# Altium PCB PCBv2.PcbDoc (part 1 of 2) (continued)
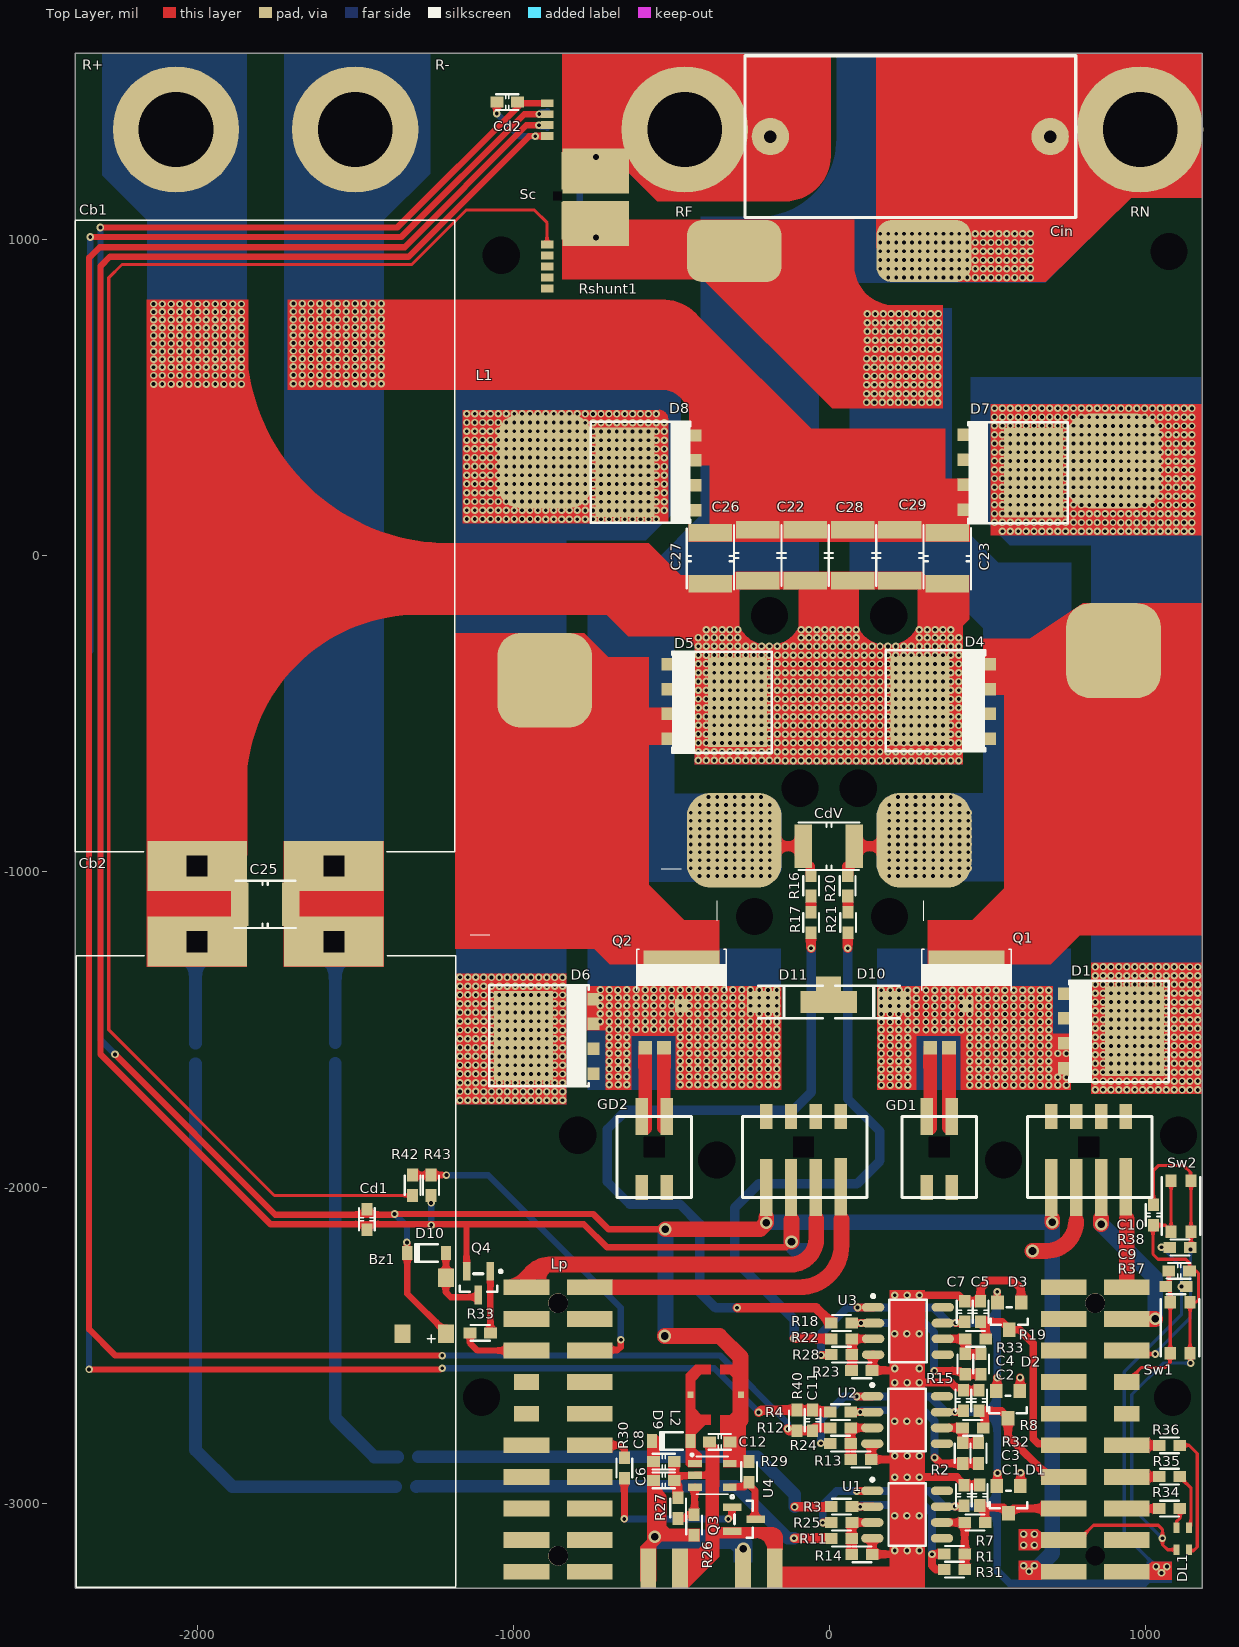
[diagram p0: Top Layer view]
## Nets (pads, with @x,y where several pads share a name; then routed paths per layer and width w, separated by ;. In a path a pad name is that pad's centre, name@x,y a point inside that pad or via, vN(x,y) a via of type N, cw(c..) or ccw(c..) an arc to the next point about the centre after c; other vN are vias at no path point)
3V3: C3.1 C4.1 C7.1 D1.2@530.4,-2943.69 D2.2 D3.2 Lp.1 R24.2 R25.1 R28.2 R37.2 R38.2 U1.1 U1.7 U2.1 U2.7 U3.1 U3.7 | length 5009.6
  Top Layer w25: v2(-25.5,-2529.5) R28.2@5.35,-2529.5 ; v2(-20,-3060) 6.58,-3060 R25.1@7.3,-3059.28 ; v2(87.57,-2660.72) 87.81,-2660.49 U2.1@136.12,-2660.49 ; v2(87.8,-2960) 88.04,-2959.77 U1.1@136.35,-2959.77 ; v2(90.35,-2379) 90.58,-2378.77 U3.1@138.9,-2378.77 ; v2(397.57,-2709.51) 423.79,-2709.51 C4.1@426.57,-2706.72 ; v2(397.8,-3008.79) 424.02,-3008.79 C3.1@426.8,-3006 ; v2(400.35,-2427.79) 426.56,-2427.79 C7.1@429.35,-2425 ; D2.2@528.85,-2643 532,-2639.85 v2(532,-2600.72) ; D1.2@530.4,-2943.69 533,-2941.1 v2(533,-2903) ; v2(532.35,-2329) 532.35,-2362.1 D3.2@532.95,-2362.69
  Bottom Layer w10: v2(1035,-3199) 934,-3098 934,-2582.82 1115,-2401.82 v2(1115,-2312.78) 1115,-2251 v2(1052,-2188)
  Bottom Layer w25: v2(-26,-2808.5) -26,-2734.34 47.35,-2661 87.3,-2661 v2(87.57,-2660.72) 319.57,-2660.72 368.36,-2709.51 v2(397.57,-2709.51) 532.35,-2709.51 ; v2(-25.5,-2529.5) -25.5,-2461.5 55,-2381 88.35,-2381 v2(90.35,-2379) 330.35,-2379 379.13,-2427.79 v2(400.35,-2427.79) 530.56,-2427.79 ; v2(-20,-3060) -20,-3004 24,-2960 v2(87.8,-2960) 315.8,-2960 364.59,-3008.79 v2(397.8,-3008.79) 532.35,-3008.79 ; v2(532.35,-2329) 532.35,-2709.51 ; v2(1035,-3199) 1035,-3214 997,-3252 572,-3252 532.35,-3212.35 532.35,-3008.79 ; 532.35,-3008.79 532.35,-2709.51
  other v2: 1052,-3219 1069,-3199
+: Cin.1 R39.1 RF.1 Rshunt1.1 Sc.5 | length 216.2
  Bottom Layer w19.68: R39.1@-826,1407 -767,1407 -738,1378 v4(-738,1261.85)
+5V: Bz1.1 C12.2 Cd1.1 Cd2.1 D10.K GD1.4 GD2.4 L2.1 Lp.20 R29.2 Sc.1 U4.5 | length 9877.2
  Top Layer w20: v2(-2306,1039) -1366.09,1039 -972.59,1432.5 Sc.1@-892.56,1432.5 ; v2(-2260,-1578) -1753,-2085 v2@-1375,-2085 ; v2(-1375,-2083) -746,-2083 -698,-2131 v3(-518,-2131) ; v2(-1336,-2173) -1336,-2205.02 D10.K@-1335.02,-2206 -1335.02,-2335.04 -1212,-2458.06 Bz1.1@-1212,-2462 Bz1.1@-1212.5,-2461.5
  Top Layer w50: v3(-520,-2469) -347,-2469 -280,-2536 -280,-2735 -301,-2756 ; v3(-518,-2131) -218.65,-2131 v3(-198.65,-2111) v3@-198.65,-2093 ; v3(706.35,-2109) v3@706.35,-2099
  Bottom Layer w20: v2(-2306,1039) -2306,-1532 v2(-2260,-1578) ; v2(-1375,-2083) -1336,-2122 v2(-1336,-2173)
  Bottom Layer w50: v3(-520,-2469) -518,-2467 v3(-518,-2131) ; v3(-198.65,-2111) -196.65,-2109 v3(706.35,-2109) 706.35,-3156.65 658.5,-3204.5 649.69,-3204.5 625,-3204.5
  other v2: 633,-3214 615.69,-3196 649.69,-3196
+12V: C6.2 C8.2 D9.K pad.8@-272,-3205 pad.8@-572,-3205 R26.2
  other v3: -271.02,-3143 -552,-3105
AD01: C5.1 D3.3 Lp.16 R19.1 | length 711
  Top Layer w25: R19.1@496.85,-2478.28 496.35,-2477.78 496.35,-2444 479.35,-2427 C5.1@479.35,-2424.5 548.04,-2424.5 570.35,-2446.81 D3.3@570.35,-2449.31 602.31,-2449.31 646.15,-2493.15 646.15,-2794.15 662,-2810 737.35,-2810 Lp.16@742.35,-2815
  Top Layer w40: Lp.16@694.91,-2815 Lp.16@742.35,-2815
AD02: C2.1 D2.3 Lp.17 R8.1 | length 449.9
  Top Layer w25: R8.1@494.07,-2760 493.57,-2759.5 493.57,-2725.72 476.57,-2708.72 476.57,-2706.22 545.27,-2706.22 567.57,-2728.53 D2.3@567.57,-2731.03 ; D2.3@566.25,-2729.62 566.25,-2786.35 Lp.17@694.91,-2915
  Top Layer w40: Lp.17@694.91,-2915 Lp.17@742.35,-2915
AD03: C1.2 D1.3 Lp.18 R7.1 | length 321.3
  Top Layer w25: R7.1@494.3,-3059.28 493.8,-3058.78 493.8,-3025 476.8,-3008 C1.2@476.8,-3005.5 483.3,-3012 D1.3@552,-3012 ; D1.3@570.3,-3027.81 583.11,-3015 Lp.18@742.35,-3015
  Top Layer w40: D1.3@567.8,-3030.31 567.8,-3027.81 D1.3@570.3,-3027.81
B: Lp.5 R36.1 | length 102.2
  Top Layer w25: Lp.5@942.35,-2815 R36.1@1044.5,-2815
BUZINA: Lp.13a R33.1@-1136.5,-2459 | length 221.1
  Top Layer w20: R33.1@-1136.5,-2459 -1136.5,-2491.5 -1113,-2515 Lp.13a@-957.65,-2515
D_SCN: GD2.@-592.96,-1774.53 Q2.G | length 254
  Top Layer w43: GD2.@-582.16,-1811 -582.16,-1557.23 Q2.G@-582.01,-1557.07
D_SCP: GD1.@309.63,-1774.54 Q1.G | length 253.8
  Top Layer w43: GD1.@319.99,-1810.84 Q1.G@319.99,-1557.06
EN_AIR: Lp.5a R30.1 | length 141
  Top Layer w22: Lp.5a@-757.65,-2815 -662,-2815 -648,-2829 R30.1@-648,-2854.5
EN_SCN: GD2.2 Lp.11a | length 1067.1
  Top Layer w50: Lp.11a@-957.65,-2315 cw(c-885.65,-2315) -885.65,-2243 -122.43,-2243 ccw(c-122.43,-2161) -40.43,-2161 -40.43,-2099
EN_SCP: GD1.2 Lp.9 | length 478.5
  Top Layer w50: v3(861,-2115) v3@861,-2097 ; Lp.9@942.35,-2415 v3(1032,-2415)
  Bottom Layer w50: v3(861,-2115) 1032,-2286 v3(1032,-2415)
Fase: CdV.1 L1.F R20.1 R41.1 Rshunt1.2 Sc.6 | length 841.3
  Top Layer w30: R20.1@56.5,-1009 CdV.1@56.5,-982.3 ; R20.1@59,-1011.5 61.5,-1009 61.5,-978.8 79.96,-960.34 CdV.1@79.96,-919 L1.F@279.49,-919 ; L1.F@218.03,-981.96 L1.F@300,-899.99
  Bottom Layer w19.68: R41.1@-825.97,1355 -801.53,1355 -789,1342.47 -789,1058.83 v4(-738,1007.83)
  other v1: 190.09,-1013.5 217.87,-1013.5 245.64,-1013.5 273.42,-1013.5 301.2,-1013.5 328.98,-1013.5 356.75,-1013.5 384.53,-1013.5 412.31,-1013.5 190.38,-988.5 218.16,-988.5 245.94,-988.5 273.72,-988.5 301.49,-988.5 329.27,-988.5 357.05,-988.5 384.83,-988.5 412.6,-988.5 440.38,-988.5 190.38,-963.5 218.16,-963.5 245.94,-963.5 273.72,-963.5 301.49,-963.5 329.27,-963.5 357.05,-963.5 384.83,-963.5 412.6,-963.5 440.38,-963.5 190.38,-938.5 218.16,-938.5 245.94,-938.5 273.72,-938.5 301.49,-938.5 329.27,-938.5 357.05,-938.5 384.83,-938.5 412.6,-938.5 440.38,-938.5 190.38,-913.5 218.16,-913.5 245.94,-913.5 273.72,-913.5 301.49,-913.5 329.27,-913.5 357.05,-913.5 384.83,-913.5 412.6,-913.5 440.38,-913.5 190.38,-888.5 218.16,-888.5 245.94,-888.5 273.72,-888.5 301.49,-888.5 329.27,-888.5 357.05,-888.5 384.83,-888.5 412.6,-888.5 440.38,-888.5 190.38,-863.5 218.16,-863.5 245.94,-863.5 273.72,-863.5 301.49,-863.5 329.27,-863.5 357.05,-863.5 384.83,-863.5 412.6,-863.5 440.38,-863.5 190.38,-838.5 218.16,-838.5 245.94,-838.5 273.72,-838.5 301.49,-838.5 329.27,-838.5 357.05,-838.5 384.83,-838.5 412.6,-838.5 440.38,-838.5 190.38,-813.5 218.16,-813.5 245.94,-813.5 273.72,-813.5 301.49,-813.5 329.27,-813.5 357.05,-813.5 384.83,-813.5 412.6,-813.5 440.38,-813.5 190.38,-788.5 218.16,-788.5 245.94,-788.5 273.72,-788.5 301.49,-788.5 329.27,-788.5 357.05,-788.5 384.83,-788.5 412.6,-788.5 218.16,-763.5 245.94,-763.5 273.72,-763.5 301.49,-763.5 329.27,-763.5 357.05,-763.5 384.83,-763.5 118.5,485.51 143.5,485.51 168.5,485.51 193.5,485.51 218.5,485.51 243.5,485.51 268.5,485.51 293.5,485.51 318.5,485.51 343.5,485.51 118.5,513.28 143.5,513.28 168.5,513.28 193.5,513.28 218.5,513.28 243.5,513.28 268.5,513.28 293.5,513.28 318.5,513.28 343.5,513.28 118.5,541.06 143.5,541.06 168.5,541.06 193.5,541.06 218.5,541.06 243.5,541.06 268.5,541.06 293.5,541.06 318.5,541.06 343.5,541.06 118.5,568.84 143.5,568.84 168.5,568.84 193.5,568.84 218.5,568.84 243.5,568.84 268.5,568.84 293.5,568.84 318.5,568.84 343.5,568.84 118.5,596.62 143.5,596.62 168.5,596.62 193.5,596.62 218.5,596.62 243.5,596.62 268.5,596.62 293.5,596.62 318.5,596.62 343.5,596.62 118.5,624.4 143.5,624.4 168.5,624.4 193.5,624.4 218.5,624.4 243.5,624.4 268.5,624.4 293.5,624.4 318.5,624.4 343.5,624.4 121.2,654.51 146.2,654.51 171.2,654.51 196.2,654.51 221.2,654.51 246.2,654.51 271.2,654.51 296.2,654.51 321.2,654.51 346.2,654.51 121.2,682.28 146.2,682.28 171.2,682.28 196.2,682.28 221.2,682.28 246.2,682.28 271.2,682.28 296.2,682.28 321.2,682.28 346.2,682.28 121.2,710.06 146.2,710.06 171.2,710.06 196.2,710.06 221.2,710.06 246.2,710.06 271.2,710.06 296.2,710.06 321.2,710.06 346.2,710.06 121.2,737.84 146.2,737.84 171.2,737.84 196.2,737.84 221.2,737.84 246.2,737.84 271.2,737.84 296.2,737.84 321.2,737.84 346.2,737.84 121.2,765.62 146.2,765.62 171.2,765.62 196.2,765.62 221.2,765.62 246.2,765.62 271.2,765.62 296.2,765.62 321.2,765.62 346.2,765.62
Fb: C11.2 R12.2 R40.1 R41.2 Sc.3 | length 7513.9
  Top Layer w20: v2(-1224,-2531) -2259,-2531 -2342,-2448 -2342,943 -2308,977 -1343.24,977 -958,1362.23 -918.77,1362.23 v2(-918,1363)
  Top Layer w30: v2(-131,-2763) -125.5,-2768.5 R40.1@-102,-2768.5 C11.2@-52,-2768.5 -52,-2766 -46,-2760 R12.2@3.35,-2760
  Bottom Layer w20: v2@-1226,-2531 v2(-1224,-2531) -344.78,-2531 -131,-2744.78 v2(-131,-2763) ; v2(-918,1363) -916.92,1363 -911.42,1357.5 -894.69,1357.5 R41.2@-892.19,1355
G: Lp.4 R35.1 | length 102.6
  Top Layer w25: Lp.4@942.35,-2915 942.85,-2914.5 1044,-2914.5 R35.1@1044.5,-2914
GND: C1.1 C2.2 C3.2 C4.2 C5.2 C6.1 C7.2 C8.1 C9.2 C10.2 C12.1 Cd1.2 Cd2.2 D1.1@605.21,-2943.69 D2.1 D3.1 DL1.C GD1.3 GD2.3 Lp.19 pad.8@-172,-3205 pad.8@-472,-3205 Q3.2 Q4.2 R13.2 R14.1 R23.1 R27.1 R43.1 Sc.4 Sw1.2 Sw2.2 U1.4 U2.4 U3.4 U4.2 | length 11480.3
  Top Layer w10: Lp.19@742.35,-3115 789.79,-3115 836.79,-3068 1042,-3068 1055,-3081 v2(1055,-3109) 1055,-3129 1071.45,-3145.45 DL1.C@1099.32,-3145.45 ; Sw2.2@1069.79,-2153.39 1082.5,-2140.68 Sw2.2@1082.5,-2138.71 Sw2.2@1082.5,-2136.74 ; Sw2.2@1082.5,-1977.29 Sw2.2@1082.5,-2136.74 ; v2(1144,-2555) 1144,-2525.21 Sw1.2@1142.5,-2523.71 Sw1.2@1142.5,-2362.29 1143.79,-2361 1162,-2361 1169,-2354 1169,-2271 1161,-2263 C9.2@1140.5,-2263 1141,-2262.5 1141,-2238 1129,-2226 1041,-2226 1025,-2210 1025,-2120.5 C10.2@1027,-2118.5 1064.26,-2118.5 Sw2.2@1082.5,-2136.74
  Top Layer w20: R43.1@-1260,-2024.5 -1259.88,-2024.62 -1259.88,-2047.88 v2(-1259.75,-2048) ; Q4.2@-1147.4,-2264.6 -1147.4,-2116.4 ; v2(-1052,1400) -1052,1434.96 Cd2.2@-1050.96,1436 ; Sc.4@-892.56,1328.52 -949.3,1328.52 -1330.81,947 -2276,947 -2306,917 -2306,889 -2306,-1577 -1768,-2115 -1259,-2115 -776,-2115 -703,-2188 -136,-2188 v3(-119,-2171)
  Top Layer w22: C6.1@-490.5,-2928.5 -472.81,-2910.81 -424.93,-2910.81 U4.2@-424.12,-2910 -423.31,-2909.19 -391.39,-2909.19 -378.5,-2896.3 ; C12.1@-378.5,-2804 -378.5,-2896.3 ; -369,-3141.33 -371.9,-3138.43 ; -353.6,-3086.4 -307.6,-3086.4 -307,-3087 Q3.2@-306.4,-3086.4 ; -378.5,-3131.83 -371.9,-3138.43 ; -378.5,-3131.83 -378.5,-3093 ; -378.5,-3131.83 -378.5,-3150.7 -371.9,-3157.3 -371.9,-3138.43 ; -378.5,-3093 -378.5,-2896.3 ; -378.5,-3093 -371.9,-3086.4 -371.9,-3138.43
  Top Layer w25: R23.1@135.85,-2578 R23.1@139.12,-2578 ; U2.4@136.61,-2810 136.16,-2810 134.98,-2811.18 134.98,-2858.37 R13.2@133.35,-2860 196.72,-2860 v2(208,-2848.72) ; U1.4@136.84,-3109.28 136.57,-3109.55 136.57,-3159.73 R14.1@136.3,-3160 196,-3160 v2(208,-3148) ; R23.1@138.85,-2579 139.12,-2578.73 R23.1@139.12,-2578 ; U3.4@139.39,-2528.28 139.12,-2528.55 R23.1@139.12,-2578 ; v2(208,-2572) 202,-2578 R23.1@139.12,-2578 ; v2(286.01,-2916) 404.3,-2916 426.8,-2938.5 C3.2@426.8,-2941 427.05,-2940.75 476.55,-2940.75 C1.1@476.8,-2940.5 ; v2(286.01,-2616.72) 386.77,-2616.72 403.05,-2633 419.85,-2633 424.85,-2638 C4.2@424.85,-2640.5 ; v2(286.01,-2340) 409.85,-2340 421.85,-2352 424.35,-2352 429.35,-2357 C7.2@429.35,-2359.5 ; C4.2@426.57,-2641.72 426.82,-2641.47 476.32,-2641.47 C2.2@476.57,-2641.22 ; C7.2@429.35,-2360 429.6,-2359.75 479.1,-2359.75 C5.2@479.35,-2359.5 479.35,-2319 505.35,-2293 581.35,-2293 607.35,-2319 607.35,-2362.29 D3.1@607.75,-2362.69 ; D2.1@604.57,-2644.02 v2(604.57,-2600.72) ; D1.1@605.21,-2943.69 604.8,-2943.29 606,-2942.1 v2(606,-2902)
  Top Layer w30: C6.1@-490.5,-2928.5 C6.1@-490.5,-2926 C8.1@-490.5,-2867 ; C6.1@-480.5,-2939.5 -480.5,-2979 R27.1@-478,-2981.5
  Top Layer w50: v3(-119,-2171) -119,-2102 ; v3(643.88,-2200) 686.45,-2200 ccw(c686.45,-2104.38) 782.07,-2104.38
  Bottom Layer w10: v2(1055,-3109) 958,-3012 958,-2654.18 1057.18,-2555 v2(1144,-2555)
  Bottom Layer w20: v2(-1259.75,-2048) -1259.38,-2048.38 -1259.38,-2117.62 v2(-1259,-2118) ; v2(-1052,1400) -980,1328 v2(-930,1328)
  Bottom Layer w22: v2(208,-2616.72) v2(247,-2616.72) v2(286.01,-2616.72)
  Bottom Layer w25: v2(208,-2572) v2(286.01,-2572) ; v2(606,-2902) v2@607,-2902
  Bottom Layer w50: v3(-119,-2171) ccw(c-90,-2171) -90,-2200 -53,-2200
  other v2: 247,-3148 286.01,-3148 615.69,-3131 649.69,-3131 615.69,-3096 649.69,-3096 207.34,-3038 246.35,-3038 285.35,-3038 208,-2916 247,-2916 247,-2848.72 286.01,-2848.72 207.34,-2738.72 246.35,-2738.72 285.35,-2738.72 207.34,-2462 246.35,-2462 285.35,-2462 208,-2340 247,-2340
Iout: C11.1 R4.2 R39.2 R40.2 Sc.2 | length 7614.5
  Top Layer w20: v2(-2342,-2575) -1229.65,-2575 -1225.65,-2571 v2(-1224.57,-2571) ; v2(-2338,1009) -1353.66,1009 -964.66,1398 v2(-917,1398)
  Top Layer w30: v2(-223,-2711) -222,-2711 -214.5,-2703.5 R40.2@-102,-2703.5 ; R40.2@-103,-2704 C11.1@-52,-2704 ; C11.1@-52,-2703.5 C11.1@-52,-2704 ; C11.1@-50,-2704 C11.1@-52,-2704 ; R4.2@3.35,-2710 0.85,-2707.5 -49.5,-2707.5 -52,-2705 C11.1@-52,-2704
  Bottom Layer w20: v2(-2342,-2575) -2342,-1695 -2342,-305.04 -2338,-301.04 v2(-2338,1009) ; v2(-1224.57,-2571) -363,-2571 v2(-223,-2711) ; v2(-917,1398) -915.92,1398 -909.42,1404.5 -894.69,1404.5 R39.2@-892.19,1407 ; R39.2@-893.5,1404.5 R39.2@-891,1407
NetBz1_2: Bz1.2 D10.A Q4.3 | length 240
  Top Layer w20: D10.A@-1212.98,-2206 -1212.49,-2206.49 -1212.49,-2284.35 Bz1.2@-1212,-2284.83 -1213,-2285.83 -1213,-2330 -1197,-2346 -1111.81,-2346 -1110,-2344.19 Q4.3@-1110,-2339.4
NetD1_1: D1.1@744.35,-1542.74 D1.1@744.35,-1621.48 D10.2 Q1.S
  other v1: 165.35,-1675 193.12,-1675 220.9,-1675 248.68,-1675 445.57,-1675 473.35,-1675 501.12,-1675 528.9,-1675 556.68,-1675 584.46,-1675 612.24,-1675 640.01,-1675 667.79,-1675 695.57,-1675 723.35,-1675 751.12,-1675 165.35,-1650 193.12,-1650 220.9,-1650 248.68,-1650 445.57,-1650 473.35,-1650 501.12,-1650 528.9,-1650 556.68,-1650 584.46,-1650 612.24,-1650 640.01,-1650 667.79,-1650 695.57,-1650 723.35,-1650 751.12,-1650 165.35,-1625 193.12,-1625 220.9,-1625 248.68,-1625 445.57,-1625 473.35,-1625 501.12,-1625 528.9,-1625 556.68,-1625 584.46,-1625 612.24,-1625 640.01,-1625 667.79,-1625 695.57,-1625 165.35,-1600 193.12,-1600 220.9,-1600 248.68,-1600 445.57,-1600 473.35,-1600 501.12,-1600 528.9,-1600 556.68,-1600 584.46,-1600 612.24,-1600 640.01,-1600 667.79,-1600 695.57,-1600 165.35,-1575 193.12,-1575 220.9,-1575 248.68,-1575 445.57,-1575 473.35,-1575 501.12,-1575 528.9,-1575 556.68,-1575 584.46,-1575 612.24,-1575 640.01,-1575 667.79,-1575 695.57,-1575 723.35,-1575 751.12,-1575 165.35,-1550 193.12,-1550 220.9,-1550 248.68,-1550 445.57,-1550 473.35,-1550 501.12,-1550 528.9,-1550 556.68,-1550 584.46,-1550 612.24,-1550 640.01,-1550 667.79,-1550 695.57,-1550 165.35,-1525 193.12,-1525 220.9,-1525 248.68,-1525 445.57,-1525 473.35,-1525 501.12,-1525 528.9,-1525 556.68,-1525 584.46,-1525 612.24,-1525 640.01,-1525 667.79,-1525 695.57,-1525 165.35,-1500 193.12,-1500 220.9,-1500 248.68,-1500 276.46,-1500 306.68,-1500 334.46,-1500 362.24,-1500 390.01,-1500 417.79,-1500 445.57,-1500 473.35,-1500 501.12,-1500 528.9,-1500 556.68,-1500 584.46,-1500 612.24,-1500 640.01,-1500 667.79,-1500 695.57,-1500 165.35,-1475 193.12,-1475 220.9,-1475 248.68,-1475 276.46,-1475 306.68,-1475 334.46,-1475 362.24,-1475 390.01,-1475 417.79,-1475 445.57,-1475 473.35,-1475 501.12,-1475 528.9,-1475 556.68,-1475 584.46,-1475 612.24,-1475 640.01,-1475 667.79,-1475 695.57,-1475 165.35,-1450 193.12,-1450 220.9,-1450 248.68,-1450 276.46,-1450 306.68,-1450 334.46,-1450 362.24,-1450 390.01,-1450 417.79,-1450 445.57,-1450 473.35,-1450 501.12,-1450 528.9,-1450 556.68,-1450 584.46,-1450 612.24,-1450 640.01,-1450 667.79,-1450 695.57,-1450 165.35,-1425 193.12,-1425 220.9,-1425 248.68,-1425 276.46,-1425 306.68,-1425 334.46,-1425 362.24,-1425 390.01,-1425 417.79,-1425 445.57,-1425 473.35,-1425 501.12,-1425 528.9,-1425 556.68,-1425 584.46,-1425 612.24,-1425 640.01,-1425 667.79,-1425 695.57,-1425 165.35,-1400 193.12,-1400 220.9,-1400 248.68,-1400 276.46,-1400 306.68,-1400 334.46,-1400 362.24,-1400 390.01,-1400 417.79,-1400 445.57,-1400 473.35,-1400 501.12,-1400 528.9,-1400 556.68,-1400 584.46,-1400 612.24,-1400 640.01,-1400 667.79,-1400 695.57,-1400 165.35,-1375 193.35,-1375 221.35,-1375 248.35,-1375.28 276.46,-1375 306.68,-1375 334.46,-1375 362.24,-1375 390.01,-1375 417.79,-1375 445.57,-1375 473.35,-1375 501.12,-1375 528.9,-1375 556.68,-1375 584.46,-1375 612.24,-1375 640.01,-1375 667.79,-1375 695.57,-1375
NetD1_2: D1.2@966,-1505.26 D7.2 L1.2
  other v1: 842.16,-1689.93 867.16,-1689.93 892.16,-1689.93 917.16,-1689.93 942.16,-1689.93 967.16,-1689.93 992.16,-1689.93 1017.16,-1689.93 1042.16,-1689.93 1067.16,-1689.93 1092.16,-1689.93 1117.16,-1690.22 1142.16,-1690.22 1167.16,-1690.22 842.16,-1662.15 867.16,-1662.15 892.16,-1662.15 917.16,-1662.15 942.16,-1662.15 967.16,-1662.15 992.16,-1662.15 1017.16,-1662.15 1042.16,-1662.15 1067.16,-1662.15 1092.16,-1662.15 1117.16,-1662.45 1142.16,-1662.45 1167.16,-1662.45 842.16,-1634.37 867.16,-1634.37 892.16,-1634.37 917.16,-1634.37 942.16,-1634.37 967.16,-1634.37 992.16,-1634.37 1017.16,-1634.37 1042.16,-1634.37 1067.16,-1634.37 1092.16,-1634.37 1117.16,-1634.67 1142.16,-1634.67 1167.16,-1634.67 1117.16,-1606.89 1142.16,-1606.89 1167.16,-1606.89 842.16,-1606.6 867.16,-1606.6 892.16,-1606.6 917.16,-1606.6 942.16,-1606.6 967.16,-1606.6 992.16,-1606.6 1017.16,-1606.6 1042.16,-1606.6 1067.16,-1606.6 1092.16,-1606.6 842.16,-1578.82 867.16,-1578.82 892.16,-1578.82 917.16,-1578.82 942.16,-1578.82 967.16,-1578.82 992.16,-1578.82 1017.16,-1578.82 1042.16,-1578.82 1067.16,-1578.82 1092.16,-1578.82 1117.16,-1579.11 1142.16,-1579.11 1167.16,-1579.11 842.16,-1551.04 867.16,-1551.04 892.16,-1551.04 917.16,-1551.04 942.16,-1551.04 967.16,-1551.04 992.16,-1551.04 1017.16,-1551.04 1042.16,-1551.04 1067.16,-1551.04 1092.16,-1551.04 1117.16,-1551.33 1142.16,-1551.33 1167.16,-1551.33 842.16,-1523.26 867.16,-1523.26 892.16,-1523.26 917.16,-1523.26 942.16,-1523.26 967.16,-1523.26 992.16,-1523.26 1017.16,-1523.26 1042.16,-1523.26 1067.16,-1523.26 1092.16,-1523.26 1117.16,-1523.56 1142.16,-1523.56 1167.16,-1523.56 1117.16,-1495.78 1142.16,-1495.78 1167.16,-1495.78 842.16,-1495.49 867.16,-1495.49 892.16,-1495.49 917.16,-1495.49 942.16,-1495.49 967.16,-1495.49 992.16,-1495.49 1017.16,-1495.49 1042.16,-1495.49 1067.16,-1495.49 1092.16,-1495.49 1117.16,-1468 1142.16,-1468 1167.16,-1468 842.16,-1467.71 867.16,-1467.71 892.16,-1467.71 917.16,-1467.71 942.16,-1467.71 967.16,-1467.71 992.16,-1467.71 1017.16,-1467.71 1042.16,-1467.71 1067.16,-1467.71 1092.16,-1467.71 842.16,-1439.93 867.16,-1439.93 892.16,-1439.93 917.16,-1439.93 942.16,-1439.93 967.16,-1439.93 992.16,-1439.93 1017.16,-1439.93 1042.16,-1439.93 1067.16,-1439.93 1092.16,-1439.93 1117.16,-1440.22 1142.16,-1440.22 1167.16,-1440.22 842.16,-1412.15 867.16,-1412.15 892.16,-1412.15 917.16,-1412.15 942.16,-1412.15 967.16,-1412.15 992.16,-1412.15 1017.16,-1412.15 1042.16,-1412.15 1067.16,-1412.15 1092.16,-1412.15 1117.16,-1412.45 1142.16,-1412.45 1167.16,-1412.45 842.16,-1384.38 867.16,-1384.38 892.16,-1384.38 917.16,-1384.38 942.16,-1384.38 967.16,-1384.38 992.16,-1384.38 1017.16,-1384.38 1042.16,-1384.38 1067.16,-1384.38 1092.16,-1384.38 1117.16,-1384.67 1142.16,-1384.67 1167.16,-1384.67 1117.16,-1356.85 1142.16,-1356.85 1167.16,-1356.85 842.16,-1356.56 867.16,-1356.56 892.16,-1356.56 917.16,-1356.56 942.16,-1356.56 967.16,-1356.56 992.16,-1356.56 1017.16,-1356.56 1042.16,-1356.56 1067.16,-1356.56 1092.16,-1356.56 842.16,-1328.78 867.16,-1328.78 892.16,-1328.78 917.16,-1328.78 942.16,-1328.78 967.16,-1328.78 992.16,-1328.78 1017.16,-1328.78 1042.16,-1328.78 1067.16,-1328.78 1092.16,-1328.78 1117.16,-1329.07 1142.16,-1329.07 1167.16,-1329.07 842.16,-1301 867.16,-1301 892.16,-1301 917.16,-1301 942.16,-1301 967.16,-1301 992.16,-1301 1017.16,-1301 1042.16,-1301 1067.16,-1301 1092.16,-1301 1117.16,-1301.29 1142.16,-1301.29 1167.16,-1301.29 548.5,78.05 573.5,78.05 598.5,78.05 623.5,78.05 648.5,78.05 673.5,78.05 698.5,78.05 723.5,78.05 748.5,78.05 773.5,78.05 798.5,77.76 823.5,77.76 848.5,77.76 848.5,77.76 873.5,77.76 898.5,77.76 923.5,77.47 948.5,77.47 973.5,77.47 998.5,77.47 1023.5,77.47 1048.5,77.47 1073.5,77.47 1098.5,77.47 1123.5,77.47 1148.5,77.47 523.5,105.83 548.5,105.83 573.5,105.83 598.5,105.83 623.5,105.83 648.5,105.83 673.5,105.83 698.5,105.83 723.5,105.83 748.5,105.83 773.5,105.83 798.5,105.54 823.5,105.54 848.5,105.54 848.5,105.54 873.5,105.54 898.5,105.54 923.5,105.24 948.5,105.24 973.5,105.24 998.5,105.24 1023.5,105.24 1048.5,105.24 1073.5,105.24 1098.5,105.24 1123.5,105.24 1148.5,105.24 923.5,133.02 948.5,133.02 973.5,133.02 998.5,133.02 1023.5,133.02 1048.5,133.02 1073.5,133.02 1098.5,133.02 1123.5,133.02 1148.5,133.02 523.5,133.61 548.5,133.61 573.5,133.61 598.5,133.61 623.5,133.61 648.5,133.61 673.5,133.61 698.5,133.61 723.5,133.61 748.5,133.61 773.5,133.61 798.5,133.32 823.5,133.32 848.5,133.32 848.5,133.32 873.5,133.32 898.5,133.32 798.5,161.09 823.5,161.09 848.5,161.09 848.5,161.13 873.5,161.13 898.5,161.13 923.5,160.84 948.5,160.84 973.5,160.84 998.5,160.84 1023.5,160.84 1048.5,160.84 1073.5,160.84 1098.5,160.84 1123.5,160.84 1148.5,160.84 523.5,161.39 548.5,161.39 573.5,161.39 598.5,161.39 623.5,161.39 648.5,161.39 673.5,161.39 698.5,161.39 723.5,161.39 748.5,161.39 773.5,161.39 523.5,189.16 548.5,189.16 573.5,189.16 598.5,189.16 623.5,189.16 648.5,189.16 673.5,189.16 698.5,189.16 723.5,189.16 748.5,189.16 773.5,189.16 798.5,188.87 823.5,188.87 848.5,188.87 848.5,188.91 873.5,188.91 898.5,188.91 923.5,188.62 948.5,188.62 973.5,188.62 998.5,188.62 1023.5,188.62 1048.5,188.62 1073.5,188.62 1098.5,188.62 1123.5,188.62 1148.5,188.62 523.5,216.94 548.5,216.94 573.5,216.94 598.5,216.94 623.5,216.94 648.5,216.94 673.5,216.94 698.5,216.94 723.5,216.94 748.5,216.94 773.5,216.94 798.5,216.65 823.5,216.65 848.5,216.69 848.5,216.65 873.5,216.69 898.5,216.69 923.5,216.4 948.5,216.4 973.5,216.4 998.5,216.4 1023.5,216.4 1048.5,216.4 1073.5,216.4 1098.5,216.4 1123.5,216.4 1148.5,216.4 923.5,244.17 948.5,244.17 973.5,244.17 998.5,244.17 1023.5,244.17 1048.5,244.17 1073.5,244.17 1098.5,244.17 1123.5,244.17 1148.5,244.17 523.5,244.72 548.5,244.72 573.5,244.72 598.5,244.72 623.5,244.72 648.5,244.72 673.5,244.72 698.5,244.72 723.5,244.72 748.5,244.72 773.5,244.72 798.5,244.43 823.5,244.43 848.5,244.43 848.5,244.47 873.5,244.47 898.5,244.47 798.5,272.2 823.5,272.2 848.5,272.2 923.5,271.95 948.5,271.95 973.5,271.95 998.5,271.95 1023.5,271.95 1048.5,271.95 1073.5,271.95 1098.5,271.95 1123.5,271.95 1148.5,271.95 523.5,272.5 548.5,272.5 573.5,272.5 598.5,272.5 623.5,272.5 648.5,272.5 673.5,272.5 698.5,272.5 723.5,272.5 748.5,272.5 773.5,272.5 848.5,272.25 873.5,272.25 898.5,272.25 798.5,299.98 823.5,299.98 848.5,299.98 848.5,300.02 873.5,300.02 898.5,300.02 923.5,299.73 948.5,299.73 973.5,299.73 998.5,299.73 1023.5,299.73 1048.5,299.73 1073.5,299.73 1098.5,299.73 1123.5,299.73 1148.5,299.73 523.5,300.27 548.5,300.27 573.5,300.27 598.5,300.27 623.5,300.27 648.5,300.27 673.5,300.27 698.5,300.27 723.5,300.27 748.5,300.27 773.5,300.27 523.5,328.05 548.5,328.05 573.5,328.05 598.5,328.05 623.5,328.05 648.5,328.05 673.5,328.05 698.5,328.05 723.5,328.05 748.5,328.05 773.5,328.05 798.5,327.76 823.5,327.76 848.5,327.76 848.5,327.8 873.5,327.8 898.5,327.8 923.5,327.51 948.5,327.51 973.5,327.51 998.5,327.51 1023.5,327.51 1048.5,327.51 1073.5,327.51 1098.5,327.51 1123.5,327.51 1148.5,327.51 523.5,355.83 548.5,355.83 573.5,355.83 598.5,355.83 623.5,355.83 648.5,355.83 673.5,355.83 698.5,355.83 723.5,355.83 748.5,355.83 773.5,355.83 798.5,355.54 823.5,355.54 848.5,355.58 848.5,355.54 873.5,355.58 898.5,355.58 923.5,355.28 948.5,355.28 973.5,355.28 998.5,355.28 1023.5,355.28 1048.5,355.28 1073.5,355.28 1098.5,355.28 1123.5,355.28 1148.5,355.28 923.5,383.06 948.5,383.06 973.5,383.06 998.5,383.06 1023.5,383.06 1048.5,383.06 1073.5,383.06 1098.5,383.06 1123.5,383.06 1148.5,383.06 523.5,383.61 548.5,383.61 573.5,383.61 598.5,383.61 623.5,383.61 648.5,383.61 673.5,383.61 698.5,383.61 723.5,383.61 748.5,383.61 773.5,383.61 798.5,383.31 823.5,383.31 848.5,383.36 848.5,383.31 873.5,383.36 898.5,383.36 798.5,411.13 823.5,411.13 848.5,411.13 848.5,411.13 873.5,411.13 898.5,411.13 923.5,410.84 948.5,410.84 973.5,410.84 998.5,410.84 1023.5,410.84 1048.5,410.84 1073.5,410.84 1098.5,410.84 1123.5,410.84 1148.5,410.84 523.5,411.43 548.5,411.43 573.5,411.43 598.5,411.43 623.5,411.43 648.5,411.43 673.5,411.43 698.5,411.43 723.5,411.43 748.5,411.43 773.5,411.43 523.5,439.2 548.5,439.2 573.5,439.2 598.5,439.2 623.5,439.2 648.5,439.2 673.5,439.2 698.5,439.2 723.5,439.2 748.5,439.2 773.5,439.2 798.5,438.91 823.5,438.91 848.5,438.91 848.5,438.91 873.5,438.91 898.5,438.91 923.5,438.62 948.5,438.62 973.5,438.62 998.5,438.62 1023.5,438.62 1048.5,438.62 1073.5,438.62 1098.5,438.62 1123.5,438.62 1148.5,438.62 523.5,466.98 548.5,466.98 573.5,466.98 598.5,466.98 623.5,466.98 648.5,466.98 673.5,466.98 698.5,466.98 723.5,466.98 748.5,466.98 773.5,466.98 798.5,466.69 823.5,466.69 848.5,466.69 848.5,466.69 873.5,466.69 898.5,466.69 923.5,466.4 948.5,466.4 973.5,466.4 998.5,466.4 1023.5,466.4 1048.5,466.4 1073.5,466.4 1098.5,466.4 1123.5,466.4 1148.5,466.4
NetD4_1: D4.1 L1.1 Q1.D
NetD5_1: D5.1 L1.3 Q2.D